# Altium PCB cheriot-test.PcbDoc (part 11 of 12) (continued)
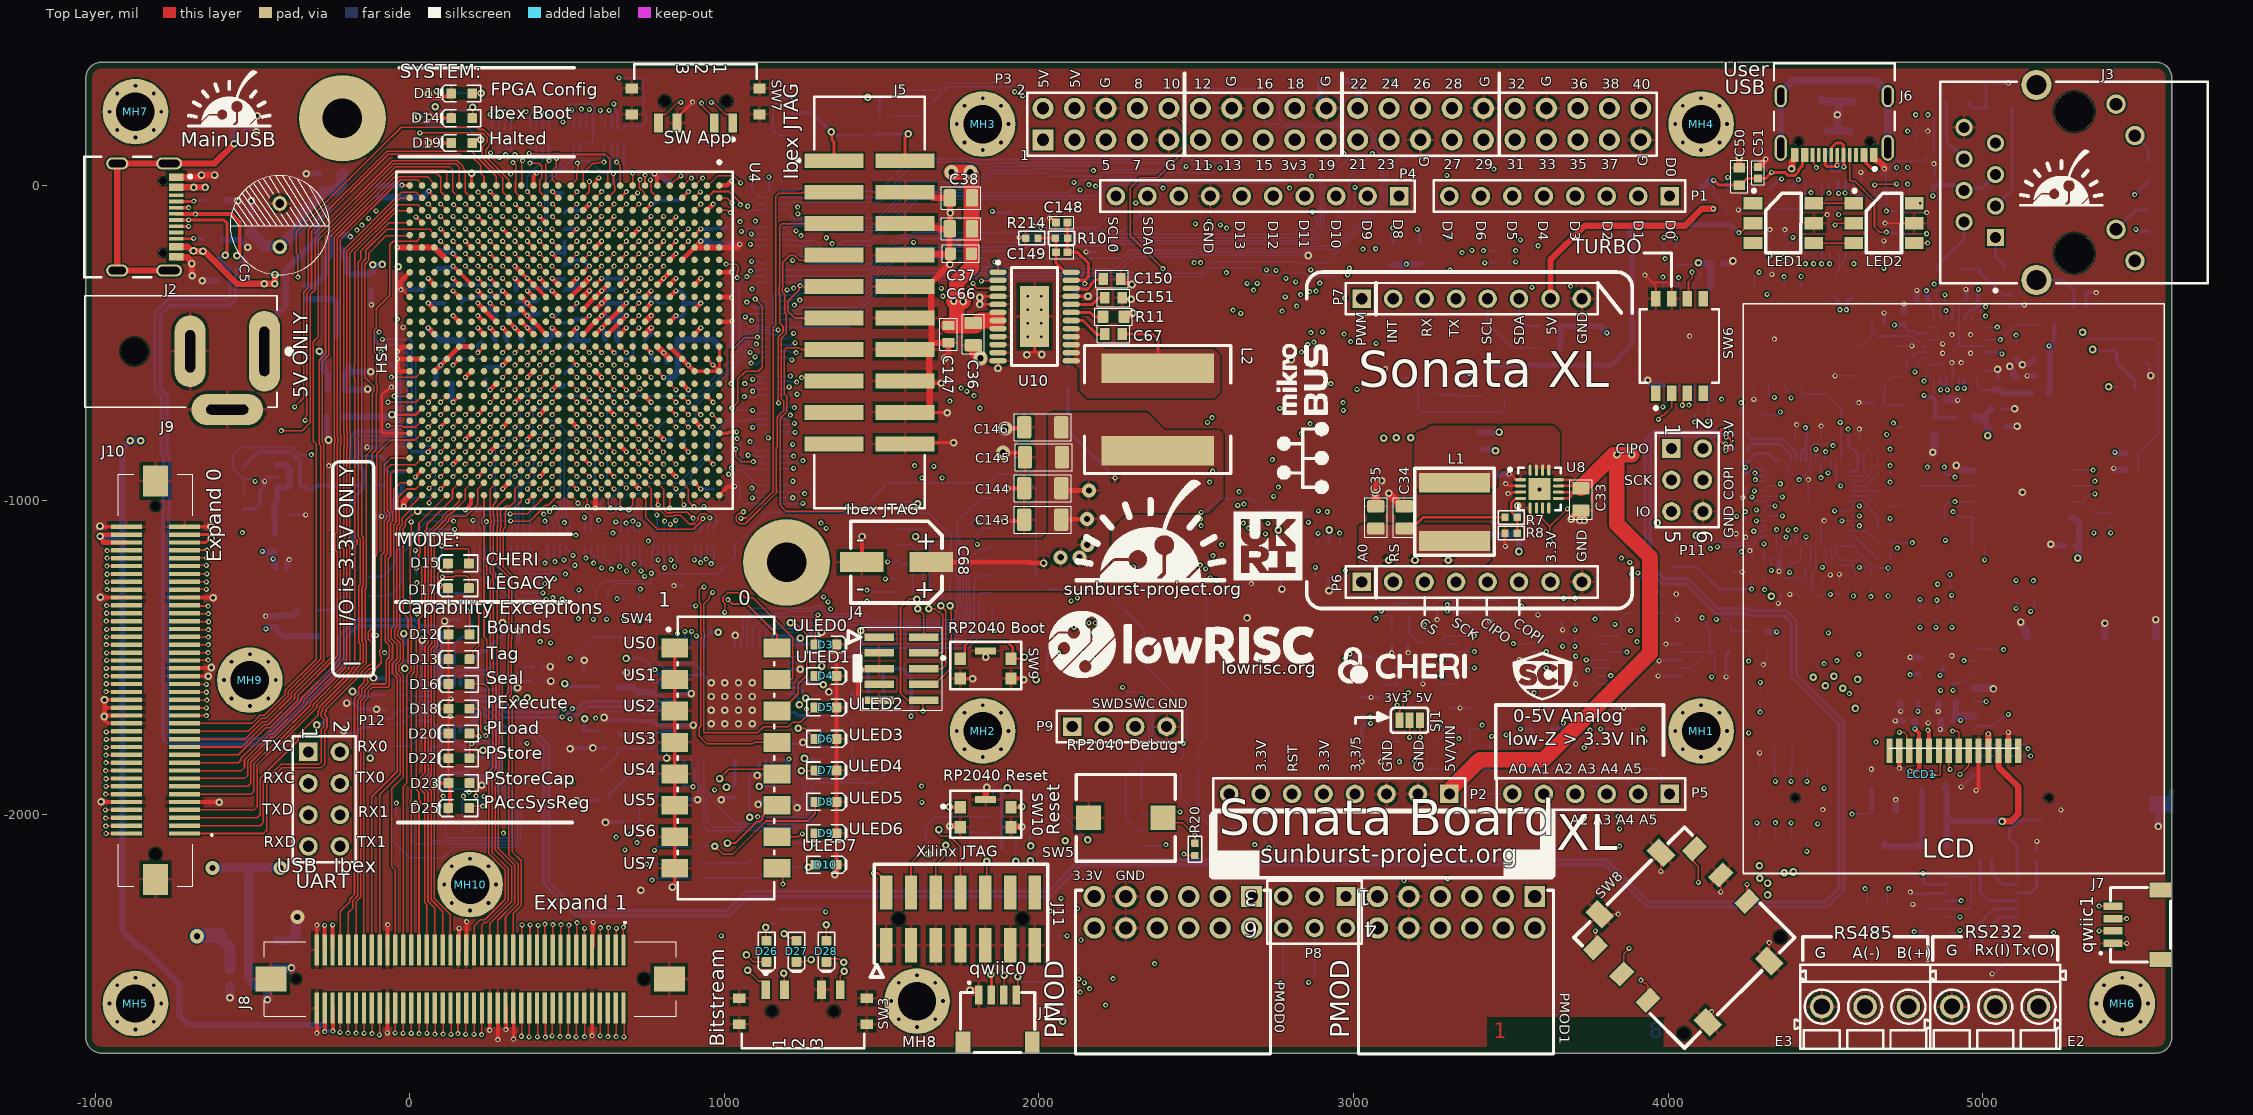
[diagram p0: Top Layer view]
## Nets (pads, with @x,y where several pads share a name; then routed paths per layer and width w, separated by ;. In a path a pad name is that pad's centre, name@x,y a point inside that pad or via, vN(x,y) a via of type N, cw(c..) or ccw(c..) an arc to the next point about the centre after c; other vN are vias at no path point) (continued)
RPH_RXD0: P3.10 R175.1B | length 4285.4
  Top Layer w5: v1@2394,-266 v1(2394,-264) 2290,-160 2290,-8 2322,24 2376,24 2464,112 2464,194.19 P3.10@2412.99,245.2
  Int4 (Sign) w5: v1(430,-1200) 449.5,-1219.5 515.59,-1219.5 544.04,-1247.95 730.27,-1247.95 740.27,-1257.95 753.11,-1257.95 763.11,-1247.95 823.36,-1247.95 824.8,-1246.5 1033.64,-1246.5 1130.47,-1343.33 1268.53,-1343.33 1307.86,-1304 1310,-1304 1313.73,-1307.73 v1(1315.73,-1307.73) v1@1315,-1307 ; v1(2394,-264) 2442.77,-312.77 2447.34,-312.77 2480,-345.43 2480,-778.43 2494,-792.43 2494,-916 2527,-949 2527,-949.21 2536.08,-958.29 2536.29,-958.29 2542,-964 2542,-1081.32 2596,-1135.32 2596,-1148.16 2567.66,-1176.5 v1(2553,-1176.5)
  Int6 (Sign) w5: v1(1315.73,-1307.73) 1374.95,-1307.73 1413.18,-1269.5 1488.13,-1269.5 1583.13,-1364.5 1739.5,-1364.5 1777,-1327 1853.86,-1327 1964.86,-1438 2404.42,-1438 2580.5,-1261.92 2580.5,-1238.58 2553,-1211.08 v1(2553,-1176.5)
  Bottom Layer w5: v1(430,-1200) 438.07,-1191.93 R175.1B@438.07,-1147.13
RPH_TXD0: P3.8 R175.2B | length 3000.1
  Int1 (Sign) w5: v1(461.56,-1195.69) 520.75,-1136.5 538.56,-1136.5 539.06,-1136 743.08,-1136 752.58,-1145.5 770.15,-1145.5 771.15,-1144.5 776.5,-1144.5 784.8,-1136.2 897.52,-1136.2 952.74,-1080.98 952.74,-1080.26 973,-1060 973,-1031.23 975.5,-1028.73 975.5,-1015.65 986.5,-1004.65 986.5,-984.37 1017.34,-953.53 1017.34,-949.71 1026.42,-940.63 1041.46,-940.63 1088.7,-893.4 1098.74,-893.4 1188.14,-804 1699,-804 1705.14,-797.86 1736.72,-797.86 1736.86,-798 1825.07,-798 1880.57,-742.5 1988.3,-742.5 2335,-395.8 2335,-156 2300,-121 2300,-65.76 2307.78,-57.98 v1(2307.78,-55)
  Int4 (Sign) w5: v1(2307.78,-55) 2307.57,-55 2291,-38.43 2291,83 2266,108 2266,187 2310,231 P3.8@2310,249
  Bottom Layer w5: R175.2B@457.76,-1147.13 457.76,-1187.76 461.56,-1191.56 v1(461.56,-1195.69)
SCL0: J1.4 P4.10 R126.2 R170.2B | length 5987.5
  Top Layer w5: J1.4@1927.56,-2572.52 1933,-2567.08 v2(1933,-2515)
  Int4 (Sign) w5: v1(300,235) 300,161.28 316.28,145 378.72,145 386.22,137.5 394.18,137.5 401.68,130 716.44,130 778.44,192 1191.85,192 1528.85,-145 1677.71,-145 1689.21,-156.5 1870.13,-156.5 1880.63,-146 1919.94,-146 1926.44,-139.5 1947.56,-139.5 1952.73,-144.67 1994.74,-144.67 2005.41,-134 v1(2006,-134) ; P4.10@2235.66,-43 P4.10@2243,-43 ; v1(2641.54,-406.54) 2641.54,-446.9 2621,-467.44 2621,-987 2635.5,-1001.5 2641.52,-1001.5 v1@2652.47,-1012.44
  Int6 (Sign) w5: v2(1933,-2515) 1933,-2354.71 1884,-2305.71 1884,-2072.42 1990.95,-1965.48 1990.95,-1953.05 2143.01,-1800.99 2143.01,-1571.99 2187.5,-1527.5 2343.2,-1527.5 2600.5,-1270.2 2600.5,-1190.5 2578.5,-1168.5 2578.5,-1165.94 2565,-1152.44 2565,-1060 2593,-1032 2615.46,-1032 2615.96,-1032.5 2643.5,-1032.5 2650.4,-1025.6 2650.4,-1015.6 v1@2653,-1013 ; v1(2006,-134) 2006.9,-133.1 2021.71,-133.1 2024,-130.81 2355.81,-130.81 2390,-165 2525.86,-165 2566,-205.14 2566,-218.74 2569.5,-222.24 2569.5,-325.22 2585.92,-341.63 2585.92,-342.65 2624.01,-380.74 2633.11,-389.82 2633.11,-395.14 2641.54,-403.56 v1(2641.54,-406.54)
  Bottom Layer w5: v1(300,235) 302.44,232.56 R170.2B@302.44,177.87 ; v2@1934,-2516 1950.54,-2532.54 R126.2@2081,-2532.54 ; v1(2006,-134) 2135.7,-134 2136.7,-135 2182,-135 2244.72,-72.28 2244.72,-56.72 P4.10@2242,-54
  other v1: 2652.5,-1012.44
SCL1: J7.4 R128.2 R170.4B | length 7752
  Top Layer w5: v1(5369.91,-2290.63) J7.4@5413.43,-2290.63
  Int1 (Sign) w5: v1(4700.98,-2234.92) 4700.98,-2345.94 4764.96,-2409.92 5250.62,-2409.92 v1(5369.91,-2290.63)
  Int3 (Sign) w5: v1(2535.83,-752.66) 2536.3,-753.13 2665.13,-753.13 2688,-776 2824.47,-776 2827.58,-772.89 2840.42,-772.89 2851.03,-783.5 2949.64,-783.5 2983.5,-749.64 2983.5,-706.5 v1(2967,-690)
  Int4 (Sign) w5: v1(255.91,226.38) 255.91,177.09 308,125 370.43,125 377.93,117.5 385.89,117.5 393.39,110 724.72,110 786.72,172 1183.57,172 1521.57,-166 1595.08,-166 1595.58,-165.5 1608.42,-165.5 1608.92,-166 1670.43,-166 1680.93,-176.5 1755.07,-176.5 1756.07,-177.5 1927.58,-177.5 1930.58,-180.5 1943.42,-180.5 1946.42,-177.5 2130.64,-177.5 2143.14,-190 2164.58,-190 2193.08,-218.5 2222.14,-218.5 2224.64,-221 2230.94,-221 2236.44,-226.5 2257.56,-226.5 2263.06,-221 2372.65,-221 2375.15,-218.5 2412.85,-218.5 2415.35,-221 2417.29,-221 2524,-327.71 2524,-740.83 v1(2535.83,-752.66)
  Int6 (Sign) w5: v1(2967,-690) 3523.12,-690 3582.56,-749.44 3599.64,-749.44 4640.13,-1789.92 5084.05,-1789.92 5369.91,-2075.78 v1(5369.91,-2290.63)
  Bottom Layer w5: v1(255.91,226.38) 263.07,219.21 R170.4B@263.07,177.87 ; R128.2@4695.98,-2281.46 4695.98,-2242.9 4700.98,-2237.9 v1(4700.98,-2234.92)
SDA0: J1.3 P4.9 R125.2 R170.1B | length 5930.4
  Top Layer w5: J1.3@1888.19,-2572.52 1890,-2570.71 v2(1890,-2510)
  Int4 (Sign) w5: v1(325,215) 325,170 332,163 374.86,163 390.36,147.5 398.32,147.5 405.82,140 712.29,140 774.29,202 1195.99,202 1532.99,-135 1681.85,-135 1693.35,-146.5 1865.99,-146.5 1877.49,-135 1916.8,-135 1922.63,-129.17 v1(1984.36,-129.17) ; P4.9@2341,-32 P4.9@2341,-30.21 ; v1(2617.61,-396.24) 2619.72,-398.35 2619.72,-408.72 2622,-411 2622,-416 2611,-427 2611,-996 v1(2632,-1017)
  Int6 (Sign) w5: v2(1890,-2510) 1890,-2325.86 1874,-2309.86 1874,-2018.42 2060.71,-1831.71 2060.71,-1615.29 2158.5,-1517.5 2339.06,-1517.5 2590.5,-1266.06 2590.5,-1206.5 2568.5,-1184.5 2568.5,-1170.08 2555,-1156.58 2555,-1051 2589,-1017 v1(2632,-1017) ; v1@1985.01,-128.51 v1(1984.36,-129.17) 1985.67,-130.47 1985.67,-144.67 1996.08,-155.08 2009.02,-155.08 2021,-143.1 2342.1,-143.1 2374,-175 2521.72,-175 2551,-204.28 2551,-217.88 2559.5,-226.38 2559.5,-329.36 2575.92,-345.77 2575.92,-346.79 2584,-354.87 2584,-362.63 v1(2617.61,-396.24) ; P4.9@2338,-34 P4.9@2338,-27.21
  Bottom Layer w5: R170.1B@322.13,177.87 322.13,212.13 v1(325,215) ; R125.2@1977.46,-87 1984.36,-93.9 v1(1984.36,-129.17) 1984.36,-132.14 1990.5,-138.28 1990.5,-140.42 1999.58,-149.5 2012.42,-149.5 2016.92,-145 2269,-145 2343.04,-70.96 2343.04,-39.96 P4.9@2344,-39
SDA1: J7.3 R127.2 R170.3B | length 7812.7
  Top Layer w5: J7.3@5413.43,-2330 v1(5456.94,-2330)
  Int1 (Sign) w5: v1(4625.98,-2234.92) 4625.98,-2294.57 4766.34,-2434.92 5352.02,-2434.92 v1(5456.94,-2330)
  Int3 (Sign) w5: v1(2550.5,-737.63) 2670.63,-737.63 2699,-766 2820.32,-766 2823.44,-762.89 2844.56,-762.89 2855.18,-773.5 2945.5,-773.5 2968,-751 v1(2968,-715)
  Int4 (Sign) w5: v1(280,220) 280,167.14 312.14,135 374.57,135 382.07,127.5 390.03,127.5 397.53,120 720.58,120 782.58,182 1187.71,182 1525.71,-156 1590.94,-156 1591.44,-155.5 1612.56,-155.5 1613.06,-156 1674.57,-156 1685.07,-166.5 1874.27,-166.5 1884.77,-156 1924.08,-156 1930.58,-149.5 1943.42,-149.5 1949.92,-156 1991.94,-156 1995.44,-159.5 2033.5,-159.5 2041.5,-167.5 2134.78,-167.5 2147.28,-180 2168.72,-180 2179.72,-191 2215.08,-191 2240.58,-216.5 2253.42,-216.5 2258.92,-211 2368.51,-211 2371.01,-208.5 2416.99,-208.5 2419.49,-211 2421.44,-211 2534,-323.56 2534,-721.13 v1(2550.5,-737.63)
  Int6 (Sign) w5: v1(2968,-715) 2996,-743 3256.48,-743 3264.48,-735 3553.98,-735 3578.41,-759.44 ; 3579,-760 3579.97,-760.97 3597.03,-760.97 4994.49,-2158.43 4994.49,-2221.43 5079.19,-2306.13 5433.07,-2306.13 v1(5456.94,-2330)
  Bottom Layer w5: v1(280,220) 282.76,217.24 R170.3B@282.76,177.87 ; v1(4625.98,-2234.92) 4632.92,-2241.86 R127.2@4632.92,-2281.46
SELSW0: SW7.1 U4.F5 | length 703.4
  Top Layer w5: U4.F5@787.4,-157.48 v1(807.09,-137.8) ; v1(959,264) 965.75,264 1004.06,225.69 1015.81,225.69 1027.09,214.41 SW7.1@1027.09,198.66
  Int1 (Sign) w5: v1(807.09,-137.8) 832,-112.88 832,-107.92 830.5,-106.42 830.5,-93.58 832,-92.08 832,-7.14 819,5.86 819,166 832,179 832,204 846.5,218.5 846.5,270.42 859.08,283 863,283 870.5,290.5 940.64,290.5 956.9,274.25 v1@956.9,265.1
SELSW1: SW7.2 U4.E5 | length 566.3
  Top Layer w5: U4.E5@826.77,-157.48 v1(846.46,-137.8) ; v1(928,262) 928,254.44 968.03,214.41 SW7.2@968.03,198.66
  Int1 (Sign) w5: v1(846.46,-137.8) 861.5,-122.75 861.5,-71.14 846.46,-56.09 846.46,-7.46 829,10 829,161.86 926.14,259 v1@928,259
SELSW2: SW7.4 U4.D5 | length 697.7
  Top Layer w5: SW7.4@790.87,198.66 790.87,214.41 802.15,225.69 812.92,225.69 851.23,264 v1(862,264) ; U4.D5@866.14,-157.48 v1(885.83,-137.8)
  Int1 (Sign) w5: v1@861,265 861.42,265.42 877.5,265.42 892.58,280.5 936.5,280.5 943.5,273.5 943.5,249.5 843,149 843,11 863.36,-9.36 863.36,-19.14 885.83,-41.61 v1(885.83,-137.8)
SER0_RX: P12.2 U4.D26 | length 2458.6
  Top Layer w5: U4.D26@866.14,-984.25 866.14,-1006.47 871.69,-1012.02 v1(871.69,-1015)
  Int3 (Sign) w5: v1(702.5,-2061) 702.5,-2044.21 697,-2038.71 697,-1689.14 687.5,-1679.64 687.5,-1662.21 678.14,-1652.85 678.14,-1639 677,-1637.86 677,-1599 636,-1558 636,-1405.06 651.5,-1389.56 651.5,-1344.75 643.5,-1336.75 643.5,-1291.93 654.43,-1281 705,-1281 714.5,-1290.5 714.5,-1302.07 717.43,-1305 763.73,-1305 789.73,-1279 796.94,-1279 829.44,-1246.5 848.78,-1246.5 861,-1234.28 861,-1230.06 870,-1221.06 870,-1205.2 869.5,-1204.7 869.5,-1175.3 871.69,-1173.1 v1(871.69,-1015)
  Int6 (Sign) w5: P12.2@-227,-1813 -221.85,-1818.15 -221.85,-1840.15 -210,-1852 -195,-1852 -144,-1903 -144,-2023.07 -141.07,-2026 256,-2026 269.93,-2012.07 337.07,-2012.07 369,-2044 685.5,-2044 v1(702.5,-2061)
SER0_TX: P12.4 U4.D25 | length 2451.4
  Top Layer w5: U4.D25@866.14,-944.88 885.83,-964.57 885.83,-1003.94 902.89,-1021 v1(904,-1021)
  Int3 (Sign) w5: v1(722.42,-2088.5) 720.32,-2086.4 720.32,-2078.62 718,-2076.3 718,-2045.57 707,-2034.57 707,-1685 697.5,-1675.5 697.5,-1658.07 688.14,-1648.71 688.14,-1634.86 689,-1634 689,-1591 646,-1548 646,-1409.2 661.5,-1393.7 661.5,-1376.58 664.5,-1373.58 664.5,-1372.58 671.97,-1365.11 671.97,-1350.97 697.94,-1325 772.02,-1325 798.02,-1299 824.57,-1299 836.07,-1287.5 846.42,-1287.5 855.5,-1278.42 855.5,-1268.07 890,-1233.57 890,-1196.92 889.5,-1196.42 889.5,-1183.58 916.5,-1156.58 916.5,-1033.5 v1(904,-1021)
  Int6 (Sign) w5: P12.4@-221.85,-1900.35 -171,-1951.2 -171,-2026 -161,-2036 260.14,-2036 274.07,-2022.07 321.07,-2022.07 352,-2053 363.86,-2053 364.86,-2054 667,-2054 689.5,-2076.5 710.42,-2076.5 721,-2087.08 v1@721,-2088
SER1_RX: P12.6 U4.H26 | length 2199.5
  Top Layer w5: v1(696.27,-1030.61) 696.27,-1027.63 708.66,-1015.24 U4.H26@708.66,-984.25
  Int3 (Sign) w5: v1(656.5,-2071) 658.6,-2068.9 658.6,-2056.4 662,-2053 662,-1696.57 657.5,-1692.07 657.5,-1674.64 648.14,-1665.28 648.14,-1652.61 594,-1598.47 594,-1525.86 594.5,-1525.36 594.5,-1417.04 599.5,-1412.04 599.5,-1369.58 594,-1364.08 594,-1273.72 616.72,-1251 705,-1251 715,-1241 715,-1223.08 729,-1209.08 729,-1097.59 742.78,-1083.8 742.78,-1070.96 723.11,-1051.29 716.96,-1051.29 v1(696.27,-1030.61)
  Int6 (Sign) w5: P12.6@-221.85,-2000.35 -155.2,-2067 243,-2067 264,-2046 264.28,-2046 278.21,-2032.07 310.07,-2032.07 341,-2063 359.72,-2063 360.72,-2064 646.52,-2064 v1@655.52,-2073
SER1_TX: P12.8 U4.E26 | length 2261.8
  Top Layer w5: v1(826.66,-1025.54) 826.72,-1025.48 826.72,-984.31 U4.E26@826.77,-984.25
  Int3 (Sign) w5: v1(684.14,-2112) 684.14,-2094.36 684.5,-2094 684.5,-2082.98 687,-2080.48 687,-1693.28 677.5,-1683.78 677.5,-1666.35 668.14,-1657 668.14,-1643.14 626,-1601 626,-1400.92 641.5,-1385.42 641.5,-1348.89 633.5,-1340.89 633.5,-1281.93 644.43,-1271 717.71,-1271 721.09,-1267.62 735.8,-1267.62 736.13,-1267.95 739.72,-1267.95 741.27,-1269.5 770.95,-1269.5 781.45,-1259 788.65,-1259 825.5,-1222.15 825.5,-1207.54 814.38,-1196.42 814.38,-1192.46 795,-1173.08 795,-1079 794.56,-1078.56 794.56,-1060.36 826.66,-1028.26 v1(826.66,-1025.54)
  Int6 (Sign) w5: P12.8@-221.85,-2100.35 -45.66,-2100.35 -42.8,-2097.5 632.8,-2097.5 641.8,-2106.5 664.28,-2106.5 668.64,-2110.86 683,-2110.86 v1(684.14,-2112)
USB_N: J2.A7 J2.B7 U1.2 U12.19 | length 3378.8
  Top Layer w10: J2.A7@-742.13,-109.92 v1@-703,-109.92 ; J2.B7@-742.13,-70.55 -702.55,-70.55 v1(-702.45,-70.45) ; v1@-703,-109 -702.92,-109 v1(-702.68,-109.24) -702,-109.92 -590.08,-109.92 -581,-119 -581,-216 -586,-221 v2(-586,-222)
  Int1 (Sign) w10: v1@-703,-74 -702.68,-74.32 v1(-702.68,-109.24)
  Bottom Layer w10: U1.2@-615.12,-234.72 -608.31,-227.91 -595.7,-227.91 -592.47,-224.68 -586.32,-224.68 v2@-586,-225
  Bottom Layer w12: U1.2@-607,-239 -605.46,-240.54 -601.43,-240.54 -586.54,-255.43 -586.54,-255.78 -572.05,-270.27 -572.05,-355.97 -579.08,-363 -769.46,-363 -810,-403.54 -810,-652 -789,-673 -789,-857.17 -782.11,-864.06 -782.11,-1030.24 -784,-1032.13 -784,-1758.46 -765.46,-1777 -460,-1777 -207,-1524 -207,-1442 -164,-1399 9,-1399 27,-1417 71,-1417 83.4,-1429.4 83.4,-1577.22 U12.19@82.56,-1578.06
USB_nSUSPEND: R14.1 SW6.6 U12.17 | length 5648.2
  Top Layer w5: SW6.6@4064.53,-369.12 4064.53,-305.45 4075.98,-294 4075.98,-275.12 v1(4075.88,-275.02)
  Int1 (Sign) w5: v1(448,-1454) 448,-1451.02 442.5,-1445.52 442.5,-1441.44 427,-1425.94 427,-1371 408,-1352 408,-1288.58 414.5,-1282.08 414.5,-1258.58 418,-1255.08 418,-1219.93 420.93,-1217 489,-1217 514.52,-1191.48 525.52,-1191.48 548,-1169 723.2,-1169 723.93,-1168.27 728.07,-1168.27 735.3,-1175.5 782.58,-1175.5 783.58,-1174.5 791.5,-1174.5 799,-1167 909.14,-1167 1003,-1073.14 1003,-1043.65 1005.5,-1041.15 1005.5,-1028.07 1042.07,-991.5 1051.49,-991.5 1072.5,-970.49 1072.5,-955.54 1084.04,-944 1123,-944 1147,-920 1273,-920 1279.5,-913.5 1731.54,-913.5 1742.82,-924.78 1852.78,-924.78 2121.75,-655.82 2195.9,-655.82 2237.79,-613.93 2271.07,-613.93 2346,-539 2346,-460 2628,-178 2695,-178 2723.05,-149.95 3073.63,-149.95 3085.69,-162.01 3202.51,-162.01 3215.98,-148.54 3310.46,-148.54 3371,-88 3371,-52.8 3367.7,-49.5 3367.7,-14.3 3389.93,7.93 3415.22,7.93 3442,-18.85 3442,-76 3454,-88 3630,-88 3633,-91 ; 3633.71,-90.29 3880.21,-336.79 4035.21,-336.79 4075,-297 ; v1(4075.88,-275.02) 4075.98,-275.12 4075.98,-294
  Int6 (Sign) w5: v1(-80,-1485) 417,-1485 446,-1456 v1@449,-1456
  Bottom Layer w5: v1(-80,-1485) -42.39,-1522.61 R14.1@-42.39,-1566.63 ; R14.1@-40,-1570 -36.42,-1573.58 -11.42,-1573.58 0,-1585 0,-1610 14.02,-1624.02 49.21,-1624.02
USB_P: J2.A6 J2.B6 U1.3 U12.20 | length 3447.7
  Top Layer w10: J2.B6@-742.13,-129.61 -741.81,-129.92 -702.91,-129.92 v1(-702.6,-130.24)
  Top Layer w12: J2.A6@-742.13,-90.24 v1@-681,-90.24 ; v1(-681,-91) v1@-681,-90.24 ; v2(-549,-223) -540,-214 -540,-116 -565.76,-90.24 v1@-681,-90.24
  Int1 (Sign) w10: v1(-702.6,-130.24) -701.45,-129.09 -686.86,-129.09 -681,-123.23 v1(-681,-91)
  Bottom Layer w12: v2@-543,-227 -541.09,-228.91 -526.44,-228.91 U1.3@-520.63,-234.72 -520.63,-237.06 -533.84,-250.27 -533.84,-254.46 -554.05,-274.67 -554.05,-363.43 -571.62,-381 -762,-381 -792,-411 -792,-644.54 -771,-665.54 -771,-849.72 -764.11,-856.61 -764.11,-1037.69 -766,-1039.58 -766,-1751 -758,-1759 -467.46,-1759 -225,-1516.54 -225,-1434.54 -171.46,-1381 16.46,-1381 34.46,-1399 78.46,-1399 101.4,-1421.95 101.4,-1577.22 U12.20@102.24,-1578.06
USB_VBUS: C1.1 J2.A4-B9 J2.B4-A9 Q1.2 R2.1 R12.2 R13.1 U1.4 | length 3575.1
  Top Layer w20: J2.B4-A9@-742.13,-194.57 -705,-194.57 -691.57,-208 v2(-687,-208) -686.23,-208.77 -657.23,-208.77 v2(-657,-209) -654.5,-206.5 -549,-312 v2(-462,-312) v2(-429,-312) -428.23,-311.23 -428.23,-286.23 -428,-286 v2(-428,-283) ; J2.A4-B9@-742.13,-5.59 -686.41,-5.59 v2(-686,-6) v2(-650,-6)
  Int1 (Sign) w20: v2@-687,-210 -686.77,-209.77 v2@-657.77,-209.77 ; v2@-683,-7 -682.77,-6.77 -650.77,-6.77 v2(-650,-6) v2@-650,-205 ; v2@-652,-210 -550,-312 v2(-462,-312) v2(-429,-312) ; v2@-428,-313 v2(-428,-283)
  Int6 (Sign) w10: v1(-532,-1103) -322,-1103 -181.71,-1243.29 v2(-181.71,-1608.29)
  Int6 (Sign) w20: v2(-462,-312) -461.23,-311.23 v2@-428.23,-311.23 ; v2(-429,-312) v2@-428.23,-311.23 ; v2@-428.23,-284.23 v2@-428.23,-311.23 ; v2(-428,-283) -427.23,-282.23 -427.23,-262.72 -415.52,-251 v2@-117,-251 ; v2@-427,-311 -427.23,-311.23 v2@-428.23,-311.23 ; v2(-117,-252) v2@-117,-251 ; v2(-87,-251) v2@-117,-251
  Int2 (GND) w10: v1(-532,-1103) -549,-1086 -549,-845 -362,-658 -362,-379 -427,-314 v2@-428,-314
  Bottom Layer w5: R13.1@-134.08,-1623.78 -131.66,-1621.37 R13.1@-125,-1621.37
  Bottom Layer w10: U1.4@-520.63,-309.53 v2@-464.47,-309.53 ; v2(-181.71,-1608.29) -180.86,-1607.43 -172.57,-1607.43 -156.22,-1623.78 R13.1@-134.08,-1623.78 ; R13.1@-125,-1625 -118.95,-1618.95 R12.2@-81.76,-1618.95
  Bottom Layer w20: v2@-461,-310 -459.77,-311.23 v2@-429.77,-311.23 ; v2@-429,-311 -428.5,-310.5 -428.5,-283.5 v2(-428,-283) ; R2.1@-213.19,-203.87 -211.38,-205.69 -211.38,-224.62 -199,-237 Q1.2@-199,-274 ; Q1.2@-189.69,-281.31 C1.1@-122.87,-281.31 -121.76,-281.31 -117,-276.55 v2@-117,-254 ; v2(-117,-252) -116.23,-252.77 -90.23,-252.77 v2@-90,-253
USBC_3_D_N: J6.A7 J6.B7 R29.1 R34.1 R35.2 | length 1198.4
  Top Layer w10: J6.A7@4518.11,96.77 4519.02,97.68 4519.02,120.68 4533.42,135.08 4550.98,135.08 4557.48,128.58 J6.B7@4557.48,96.77 4558.16,96.09 4558.16,60.06 v1(4558.84,59.38)
  Int1 (Sign) w10: v1(4413.91,18.68) 4412.99,18.68 4397.19,2.87 4352.99,2.87 4342.85,13.01 4342.85,28.65 4347.13,32.93 4347.13,44.9 4377.7,75.46 4413.55,75.46 4431.16,93.08 4533.42,93.08 4557.69,68.81 4557.69,60.53 v1(4558.84,59.38) 4559.29,58.93 4559.29,42.99 4610.98,-8.71 4610.98,-136.99 4566.48,-181.49 v1(4566.48,-394.92)
  Bottom Layer w10: R34.1@4385.98,-6.46 4387.95,-6.46 4413.09,18.68 v1(4413.91,18.68) ; R35.2@4505.98,106.61 4516.24,96.36 4516.24,54.82 4525.16,45.91 4544.59,45.91 4558.07,59.38 v1(4558.84,59.38) ; v1(4566.48,-394.92) 4567.45,-393.96 4567.45,-371.92 4571.3,-368.07 4571.3,-366.1 4584.02,-353.39 R29.1@4585.98,-353.39
USBC_3_D_P: J6.A6 J6.B6 R27.1 R31.1 R36.2 | length 981.9
  Top Layer w10: J6.B6@4498.43,96.77 4499.33,95.87 4499.33,65.94 4505.19,60.08 4531.69,60.08 4535.51,63.91 v1(4537.14,63.91) ; v1@4537.47,60.41 4537.47,96.44 J6.A6@4537.8,96.77
  Int1 (Sign) w10: v1(4360.85,21.19) 4390.97,21.19 4401.24,31.46 4414.13,44.35 4414.13,54.83 4437.38,78.08 4522.96,78.08 v1(4537.14,63.91) 4538.29,62.76 4538.29,42.78 4550.98,30.08 4550.98,24.22 4595.98,-20.78 4595.98,-130.78 4545.48,-181.28 v1(4545.48,-394.92)
  Bottom Layer w10: R31.1@4325.98,-6.46 4327.95,-6.46 4354.49,20.08 4359.74,20.08 v1(4360.85,21.19) ; R27.1@4525.98,-353.39 4527.95,-353.39 4540.67,-366.1 4540.67,-368.07 4544.52,-371.92 4544.52,-393.96 v1(4545.48,-394.92) ; v1(4537.14,63.91) 4537.14,65.11 4576.83,104.8 R36.2@4578.8,104.8
USBC_F_D_N: R29.2 U13.11 | length 92.4
  Bottom Layer w5: U13.11@4564.37,-212.13 4564.37,-227.87 4554.07,-238.17 4554.07,-254.55 4569.99,-270.46 4569.99,-271.39 4585.06,-286.46 R29.2@4585.98,-286.46
USBC_F_D_P: R27.2 U13.12 | length 84.6
  Bottom Layer w5: R27.2@4525.98,-286.46 4526.91,-286.46 4541.98,-271.39 4541.98,-270.46 4544.07,-268.37 4544.07,-217.42 U13.12@4538.78,-212.13
USR_JTAG_TCK: J4.4 J5.9 J5.11 SW2.16 U4.G21 | length 2857.1
  Top Layer w5: U4.G21@748.03,-787.4 v1(767.72,-807.09) ; J5.11@1348.43,-421.26 1224.26,-421.26 1202,-399 1202,-368 1238.9,-331.1 1238.9,-321.1 1242,-318 1247,-318 1250.26,-321.26 J5.9@1348.43,-321.26 ; J4.4@1633.86,-1485.43 1688.57,-1485.43 1694,-1480 1694,-1365.58 1683.93,-1355.5 1680.57,-1355.5 1670.06,-1345 v2(1650,-1345)
  Int4 (Sign) w5: v2@1607,-1117 v2(1608,-1116) 1611.39,-1112.61 1611.39,-1014.89 v2(1614.78,-1011.5)
  Int6 (Sign) w5: v1(767.72,-807.09) 767.72,-809.86 791,-833.14 791,-853.29 805.71,-868 968.66,-868 999.85,-899.19 999.85,-909.63 998.1,-911.37 998.1,-924.21 999.85,-925.95 999.85,-927.82 1001.42,-929.4 1001.42,-929.86 1010.56,-939 1040,-939 1058.11,-957.11 1058.11,-984.03 1082.54,-1008.46 1146.58,-1008.46 1147.1,-1007.94 1230.64,-1007.94 1243.58,-995 1598.28,-995 v2(1614.78,-1011.5)
  Bottom Layer w5: v1@768,-807 768,-806.8 790.91,-783.89 790.91,-770.09 812,-749 896,-749 909,-736 909,-701.87 911.33,-699.54 911.33,-698.67 1066.82,-543.18 1066.82,-460.18 1077,-450 1086.8,-450 1090.3,-446.5 1119.7,-446.5 1123.2,-450 1152.03,-450 1154.96,-447.07 1154.96,-353.04 1158.8,-349.2 1218.8,-349.2 1238.9,-329.11 1238.9,-320.1 v1(1241,-318) ; SW2.16@1552.13,-992.13 1564.59,-1004.59 1592.78,-1004.59 1596.06,-1007.87 1611.15,-1007.87 v2(1614.78,-1011.5) ; v2(1608,-1116) 1619,-1116 1650,-1147 v2(1650,-1345)
USR_JTAG_TDI: J4.8 J5.5 SW2.15 U4.K23 | length 3741
  Top Layer w5: U4.K23@629.92,-866.14 v1(649.61,-885.83) ; v1(1173,-691) 1171,-689 1171,-482 1186.5,-466.5 1186.5,-447.5 1176,-437 1176,-344.06 1174.5,-342.56 1174.5,-321.44 1176,-319.94 1176,-129 1183.74,-121.26 J5.5@1348.43,-121.26 ; J4.8@1633.86,-1585.43 1669.29,-1585.43 1722,-1532.72 1722,-1358 1719.14,-1355.14 1719.14,-1337.14 v2(1717.64,-1335.64)
  Int1 (Sign) w5: v1(649.61,-885.83) 669.78,-906 742,-906 748,-912 748,-930 766,-948 963,-948 998.1,-912.9 998.1,-911.37 1005.3,-904.17 1005.3,-893.62 1051.5,-847.42 1051.5,-815.44 1056.28,-810.66 1056.28,-771.4 1067.69,-760 1077.22,-760 1087.31,-749.9 1167.1,-749.9 1173,-744 v1(1173,-691)
  Int4 (Sign) w5: v1@1172,-691 v1(1173,-691) 1191,-673 1191,-477.08 1213.58,-454.5 1455.5,-454.5 1566,-565 1566,-1101.58 1594,-1129.58 1594,-1212 v2(1717.64,-1335.64)
  Bottom Layer w5: SW2.15@1552.13,-1042.13 1648.13,-1042.13 1722,-1116 1722,-1221.43 1718,-1225.43 1718,-1335.29 v2(1717.64,-1335.64)
USR_JTAG_TDO: J4.6 J5.13 SW2.14 U4.G24 | length 2748.7
  Top Layer w5: U4.G24@748.03,-905.51 v1(767.72,-925.2) ; J5.13@1348.43,-521.26 1245.26,-521.26 1241,-517 1235.92,-517 1234.42,-515.5 1197.5,-515.5 1191,-522 1191,-663 1198.5,-670.5 1198.5,-719.58 1178,-740.08 1178,-1017 1196,-1035 1377,-1035 v1(1391,-1021) ; J4.6@1633.86,-1535.43 1692.57,-1535.43 1704,-1524 1704,-1351.58 1688.65,-1336.22 v2(1688.65,-1336)
  Int6 (Sign) w5: v1(767.72,-925.2) 783.22,-909.7 955.7,-909.7 1058,-1012 1071.94,-1012 1078.4,-1018.46 1207.52,-1018.46 1208.59,-1019.54 1237.12,-1019.54 1243.58,-1026 1256.42,-1026 1261.35,-1021.07 1540.65,-1021.07 1633,-1113.42 1633,-1283 1686,-1336 v2(1688.65,-1336)
  Bottom Layer w5: SW2.14@1552.13,-1092.13 1630.13,-1092.13 1692,-1154 1692,-1332.65 v2(1688.65,-1336)
USR_JTAG_TMS: J4.2 J5.7 SW2.13 U4.F24 | length 2703.2
  Top Layer w5: U4.F24@787.4,-905.51 v1(807.09,-925.2) ; 1040,-1068 1037.46,-1065.46 1037.46,-1050.54 1045.46,-1042.54 1052.4,-1042.54 1057.94,-1037 v1(1060.92,-1037) ; 1040.5,-1067.5 1048.5,-1075.5 1066.5,-1075.5 1166,-976 1166,-967 ; 1165.5,-967 1165.5,-835.5 ; 1165.5,-835 1168,-832.5 1168,-735.94 1188.5,-715.44 1188.5,-684.58 1181,-677.08 1181,-486.14 1196.5,-470.64 1196.5,-407.64 1192,-403.14 1192,-345.92 1184.5,-338.42 1184.5,-325.58 1186,-324.08 1186,-244 1208.43,-221.57 1222.57,-221.57 1239,-238 1331.68,-238 J5.7@1348.43,-221.26 ; v2(1615,-1345) 1633.86,-1363.86 J4.2@1633.86,-1435.43
  Int6 (Sign) w5: v1(807.09,-925.2) 822.59,-940.7 856.18,-940.7 857.81,-939.07 964.07,-939.07 1058,-1033 1059,-1033 1060.92,-1034.92 v1(1060.92,-1037) ; v1@1062,-1036 1147.24,-1036 1152.17,-1031.07 1234.51,-1031.07 1239.44,-1036 1260.56,-1036 1265.49,-1031.07 1379.15,-1031.07 1384.58,-1036.5 1397.42,-1036.5 1402.85,-1031.07 1530.07,-1031.07 1588.5,-1089.5 1588.5,-1124.08 1598.5,-1134.08 1598.5,-1290.5 1583,-1306 1583,-1324.58 1600.42,-1342 1608,-1342 v2@1615,-1349
  Bottom Layer w5: SW2.13@1552.13,-1142.13 1594.13,-1142.13 1631.57,-1179.57 1631.57,-1324.43 v2@1613,-1343
USR_JTAG_TRST: J5.3 SW2.11 U4.E25 | length 2380.1
  Top Layer w5: U4.E25@826.77,-944.88 v1(846.46,-964.57) ; v1(1052.96,-1058.04) 1054.1,-1056.9 1070.96,-1056.9 1155.5,-972.36 1155.5,-452.43 1163,-444.93 1163,-36 1174,-25 1245,-25 1248.74,-21.26 J5.3@1348.43,-21.26
  Int6 (Sign) w5: v1(846.46,-964.57) 861.96,-949.07 958.07,-949.07 1006.29,-997.29 1006.29,-1000.29 1045.37,-1039.37 1045.37,-1045.4 1056,-1056.02 1054.98,-1056.02 v1(1052.96,-1058.04) ; v1@1056,-1056.46 1064.46,-1056.46 1074.92,-1046 1379.94,-1046 1380.44,-1046.5 1401.56,-1046.5 1402.06,-1046 1529,-1046 1578.5,-1095.5 1578.5,-1128.22 1583,-1132.72 1583,-1241.93 1574.93,-1250 v1(1512,-1250)
  Bottom Layer w5: v1(1512,-1250) 1544.25,-1250 SW2.11@1552.13,-1242.13
USRLED0: R138.1 U4.J14 | length 1121.3
  Top Layer w5: U4.J14@669.29,-511.81 v1(688.98,-531.5)
  Int3 (Sign) w5: v1(659,-1313) 711.29,-1313 713.29,-1315 767.87,-1315 793.87,-1289 801.08,-1289 833.58,-1256.5 852.93,-1256.5 880,-1229.43 880,-1201.06 879.5,-1200.56 879.5,-1179.44 885.5,-1173.44 885.5,-1050.58 887.19,-1048.89 887.19,-1005.19 872,-990 840,-990 828,-978 828,-865.43 822.22,-859.64 822.22,-840.67 819.18,-837.63 819.18,-816.92 822.59,-813.51 822.59,-800.67 810.96,-789.04 810.96,-676.96 787,-653 787,-607.6 774.14,-594.74 754.59,-594.74 740.86,-581 738.48,-581 v1(688.98,-531.5)
  Bottom Layer w5: v1@663,-1314 664,-1313 677.69,-1313 R138.1@680,-1315.32
USRLED1: R140.1 U4.J15 | length 976.1
  Top Layer w5: U4.J15@669.29,-551.18 v1(688.98,-570.87)
  Int3 (Sign) w5: v1(688.98,-570.87) 709.11,-591 736.72,-591 749,-603.28 749,-640 794,-685 794,-798.25 786,-806.25 786,-978 818.04,-1010.04 834.04,-1010.04 861.02,-1037.02 861.02,-1169.64 859.5,-1171.15 859.5,-1217.41 851,-1225.91 851,-1230.14 844.64,-1236.5 825.3,-1236.5 792.8,-1269 785.59,-1269 775.09,-1279.5 774.08,-1279.5 758.58,-1295 744.85,-1295 v1(732.97,-1283.12)
  Bottom Layer w5: R140.1@730,-1315.32 730,-1289.07 733,-1286.07 v1@733,-1285
USRLED2: R142.1 U4.K16 | length 919.1
  Top Layer w5: U4.K16@629.92,-590.55 v1(649.61,-610.24)
  Int3 (Sign) w5: v1(649.61,-610.24) 667.13,-627.76 667.13,-649.68 683.57,-666.12 688.04,-666.12 710,-688.08 710,-981 760.5,-1031.5 760.5,-1060.4 762.78,-1062.68 762.78,-1092.09 760.5,-1094.37 760.5,-1110.64 764.36,-1114.5 765.42,-1114.5 774.5,-1123.58 774.5,-1136.42 764.5,-1146.42 764.5,-1200.56 768,-1204.06 v1(768,-1232.45)
  Bottom Layer w5: R142.1@630,-1315.63 630,-1287 651,-1266 764.07,-1266 768,-1262.07 v1(768,-1232.45)
USRLED3: R144.1 U4.K17 | length 878.4
  Top Layer w5: U4.K17@629.92,-629.92 v1(649.61,-649.61)
  Int3 (Sign) w5: v1(649.61,-649.61) 668,-668 668,-980.41 726.69,-1039.1 727.53,-1039.1 750.5,-1062.07 750.5,-1064.54 752.78,-1066.82 752.78,-1087.95 743.5,-1097.23 743.5,-1176.38 750.5,-1183.38 750.5,-1231.42 748.79,-1233.13 748.79,-1240.34 v1(746.69,-1242.45)
  Bottom Layer w5: R144.1@588,-1316 591.95,-1312.05 591.95,-1283.05 619,-1256 733.14,-1256 v1(746.69,-1242.45)
USRLED4: R147.1 U4.M14 | length 833
  Top Layer w5: U4.M14@551.18,-511.81 v1(570.87,-531.5)
  Int3 (Sign) w5: v1(538,-1285) 540.5,-1282.5 540.5,-1156.46 539.5,-1155.46 539.5,-1121.42 543.5,-1117.42 543.5,-1104.58 539.5,-1100.58 539.5,-1027.42 550.5,-1016.42 550.5,-825.46 550,-824.96 550,-552.36 v1(570.87,-531.5)
  Bottom Layer w5: R147.1@535,-1315.63 538,-1312.63 538,-1290.08 542.08,-1286 v1@543,-1286